# Altium PCB PCB_V2.1.PcbDoc
Units mil, origin at the board's own origin, x right, y up, seen from the top; angles counter-clockwise.
Board outline 2362.2 x 3149.61 mil, 2 copper layers (Top Layer, Bottom Layer); 72 components, 29 nets, 193 pads, 191 vias.
Unrouted connection lines stored in the file: 4.
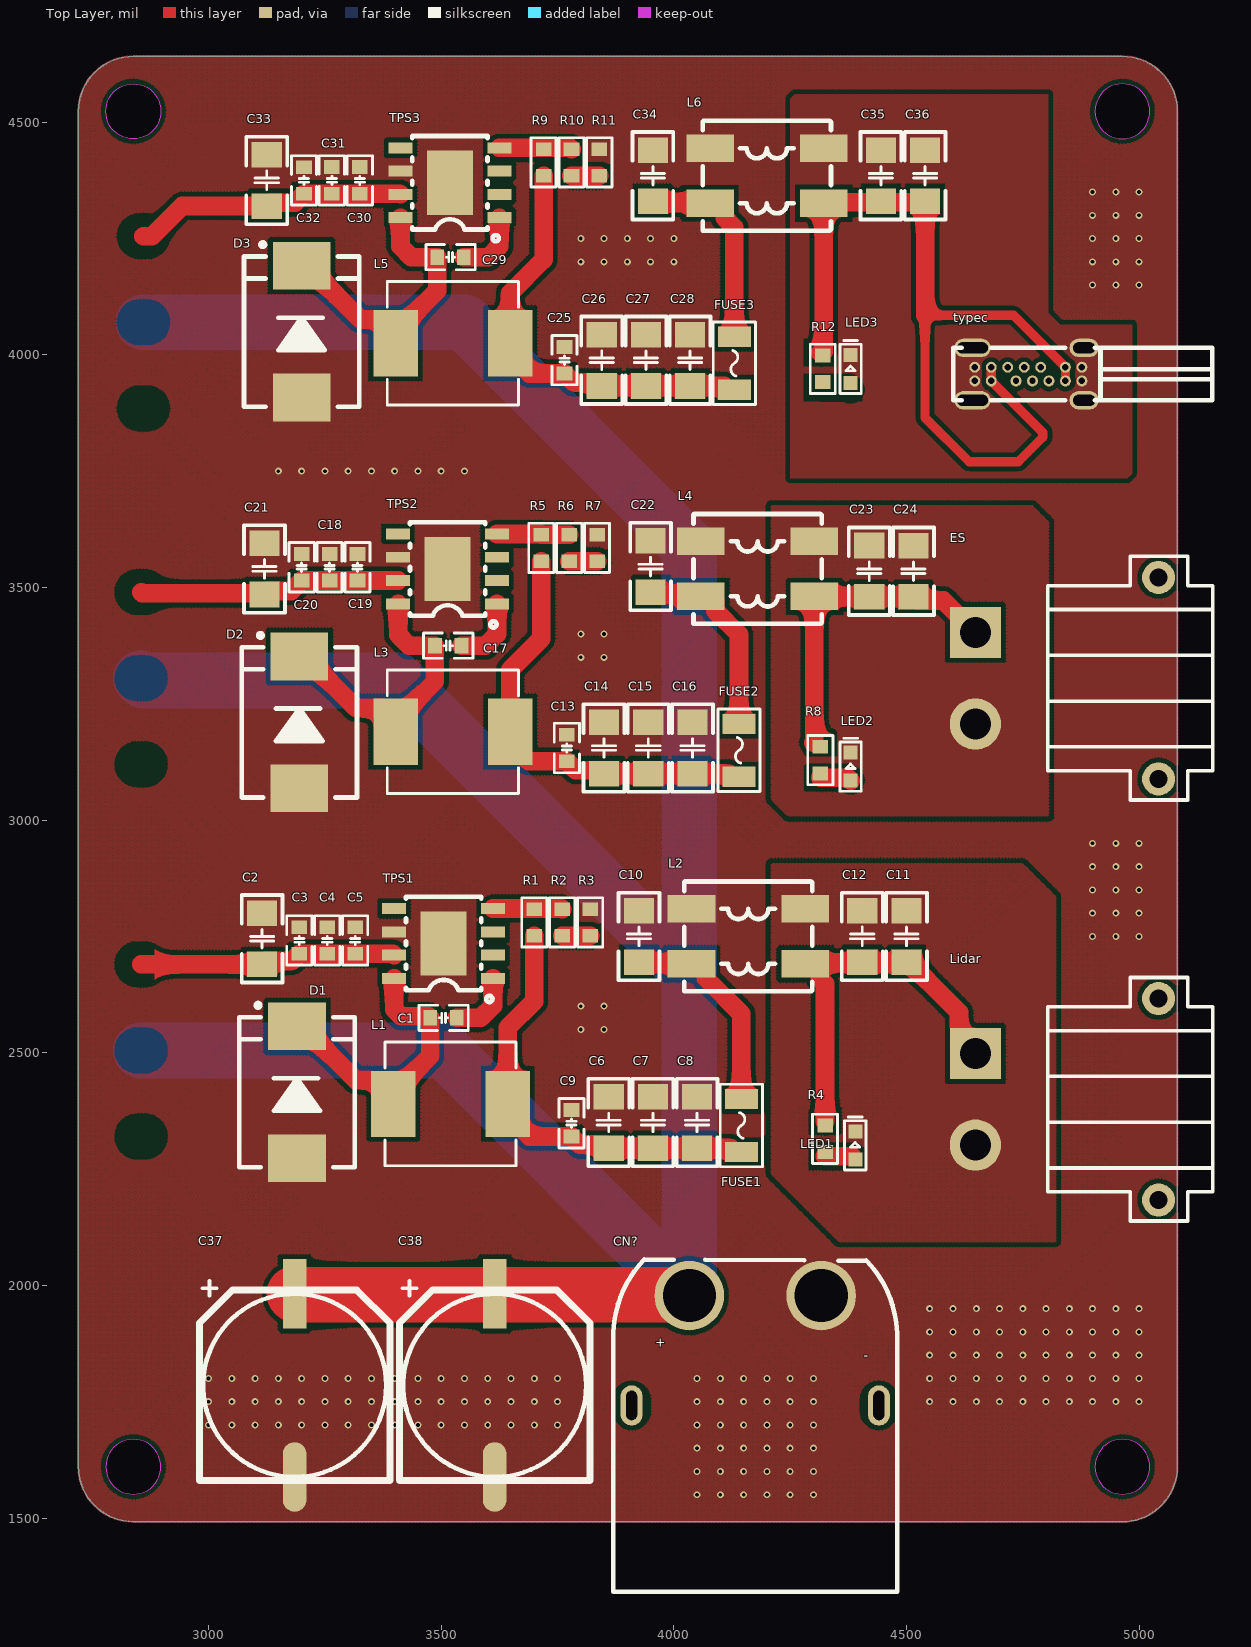
[diagram p0: Top Layer view]
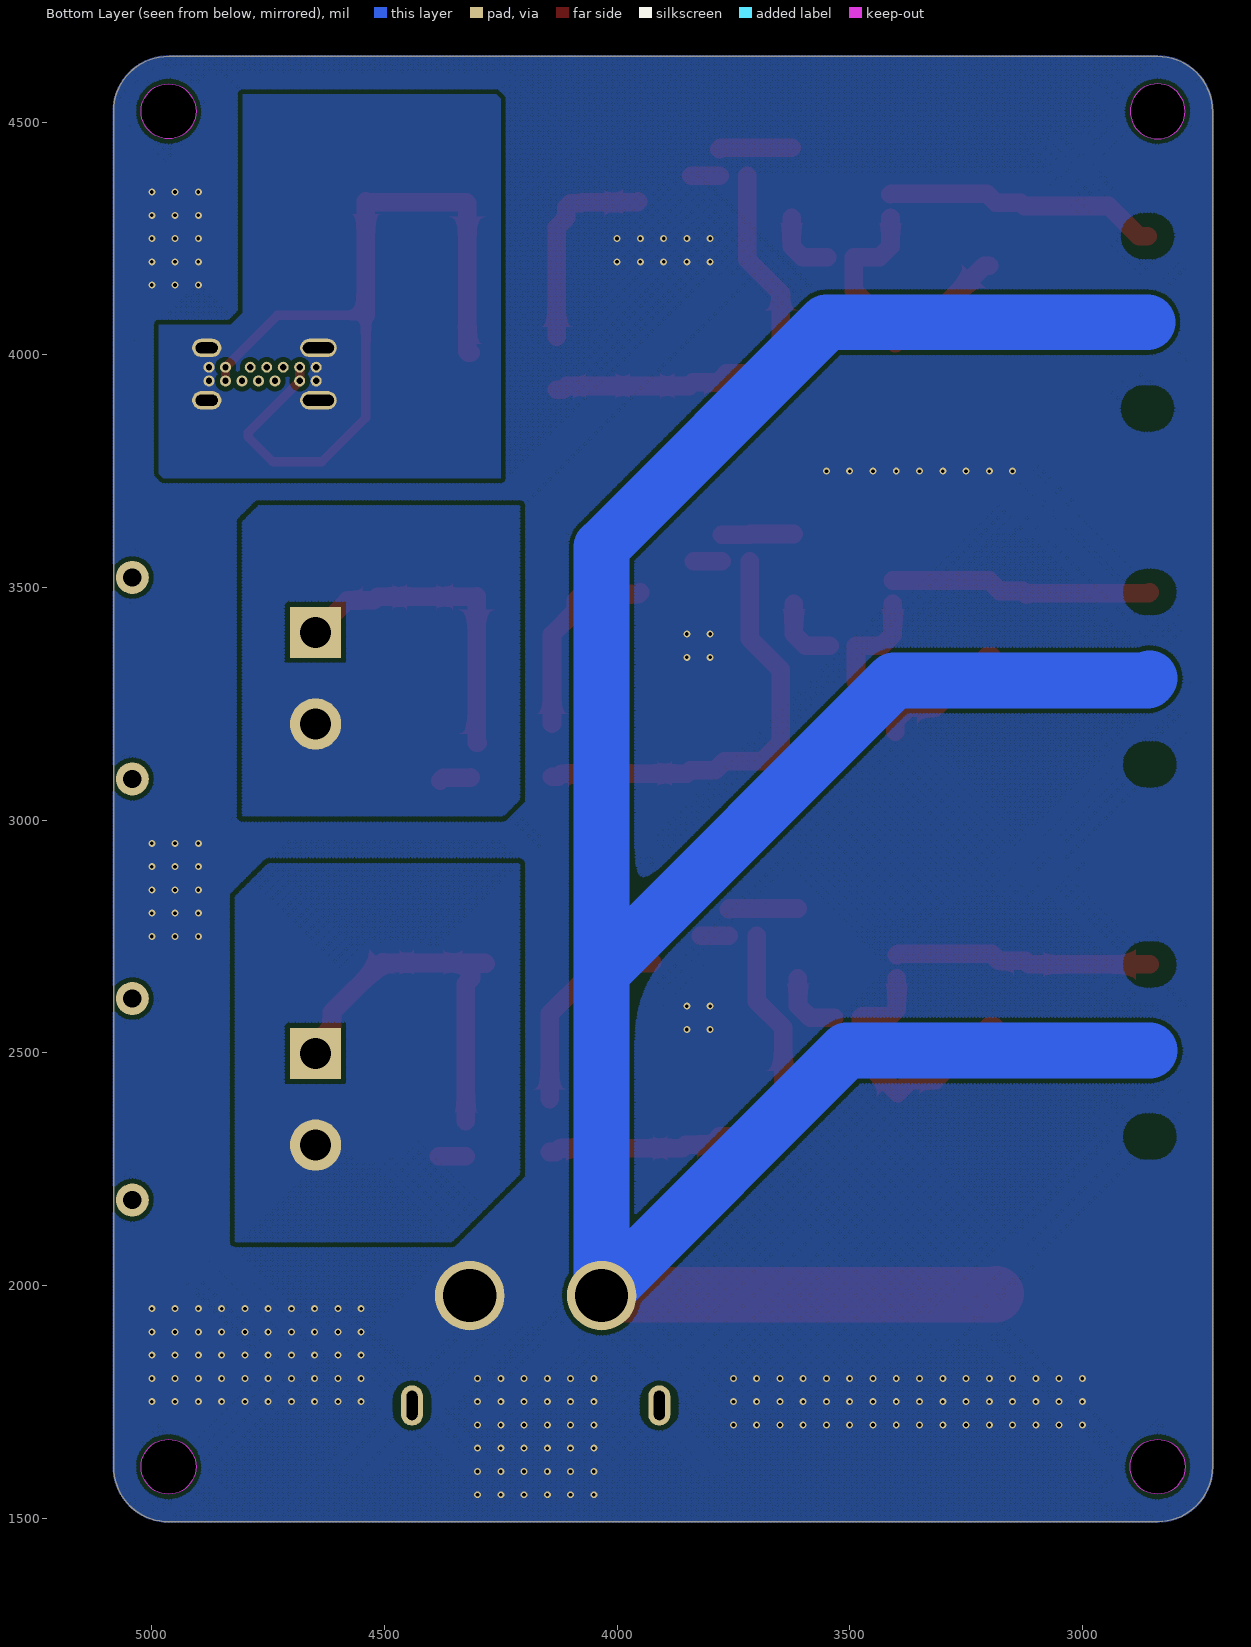
[diagram p1: Bottom Layer view, seen from below]

## Layer stack, top to bottom
Top Solder: solder mask 0.4, Solder Resist, Dk 3.5
Top Layer: signal copper 1.4
Dielectric 1: dielectric 12.6, FR-4, Dk 4.8
Bottom Layer: signal copper 1.4
Bottom Solder: solder mask 0.4, Solder Resist, Dk 3.5

## Board outline
2720.03,1610.15 ccw(c2838.14,1610.15) 2838.14,1492.04 4964.13,1492.04 ccw(c4964.13,1610.15) 5082.24,1610.15 5082.24,4523.54 ccw(c4964.13,4523.54) 4964.13,4641.65 2838.15,4641.65 ccw(c2838.14,4523.54) 2720.03,4523.54
cut-out: 4905.07,1610.15 ccw(c4964.13,1610.15) 4964.13,1551.09 ccw(c4964.13,1610.15) 5023.18,1610.15 ccw(c4964.13,1610.15) 4964.13,1669.2 ccw(c4964.13,1610.15)
cut-out: 2779.09,1610.15 ccw(c2838.14,1610.15) 2838.14,1551.09 ccw(c2838.14,1610.15) 2897.2,1610.15 ccw(c2838.14,1610.15) 2838.14,1669.2 ccw(c2838.14,1610.15)
cut-out: 4905.07,4523.54 ccw(c4964.13,4523.54) 4964.13,4464.48 ccw(c4964.13,4523.54) 5023.18,4523.54 ccw(c4964.13,4523.54) 4964.13,4582.59 ccw(c4964.13,4523.54)
cut-out: 2838.14,4464.48 cw(c2838.14,4523.54) 2779.09,4523.54 cw(c2838.14,4523.54) 2838.14,4582.59 cw(c2838.14,4523.54) 2897.2,4523.54 cw(c2838.14,4523.54)

## Design rules (kind name [scope] priority, off if disabled: settings)
Clearance [All] p1: gap=6 ignorepadtopadclearanceinfootprint=TRUE
PlaneConnect [All] p1: planeconnectstyle=Direct reliefexpansion=20 reliefentries=4 reliefconductorwidth=10 reliefairgap=10
PolygonConnect [All] p1: connectstyle=Direct reliefconductorwidth=10 reliefentries=4 polygonreliefangle="90 Angle" airgapwidth=10
RoutingVias [All] p1: holewidth=28 width=20 viastyle="Through Hole" minholewidth=5 minwidth=15 maxholewidth=100 maxwidth=100
SolderMaskExpansion [All] p1: expansion=4 istentingtop=FALSE
Width Width_1 [All] p1: maxlimit=120 minlimit=10 preferedwidth=40
Width [All] p2: maxlimit=10 minlimit=10 preferedwidth=10
29 further rules are at their usual default settings.

## Components (designator, comment, footprint, x,y, rotation, side; value= is the part's Value field where it differs from the comment)
C1 "10nF" C0603_L 3505,2575 r0 top
C2 "100uF" C1206_L 3115,2745 r270 top
C3 "4.7uF" C0603_L 3195,2741.46 r270 top
C4 "4.7uF" C0603_L 3255,2741.46 r270 top
C5 "0.01uF" C0603_L 3315,2741.46 r270 top
C6 "100uF" C1206_L 3860,2350 r90 top
C7 "100uF" C1206_L 3955,2350 r90 top
C8 "100uF" C1206_L 4050,2350 r90 top
C9 "0.01uF" C0603_L 3780,2348.54 r90 top
C10 "10uF/25V/1206" C1206_L 3925,2749.97 r270 top
C11 "22uF/25V/1206" C1206_L 4500,2749.97 r270 top
C12 "22uF/25V/1206" C1206_L 4405,2749.97 r270 top
C13 "0.01uF" C0603_L 3770,3155 r90 top
C14 "100uF" C1206_L 3850,3155 r90 top
C15 "100uF" C1206_L 3945,3155 r90 top
C16 "100uF" C1206_L 4040,3155 r90 top
C17 "10nF" C0603_L 3515,3375 r0 top
C18 "0.01uF" C0603_L 3260,3543.54 r270 top
C19 "4.7uF" C0603_L 3320,3543.54 r270 top
C20 "4.7uF" C0603_L 3200,3543.54 r270 top
C21 "100uF" C1206_L 3120,3540 r270 top
C22 "10uF/25V/1206" C1206_L 3950,3545 r270 top
C23 "22uF/25V/1206" C1206_L 4420,3535 r270 top
C24 "22uF/25V/1206" C1206_L 4515,3534.88 r270 top
C25 "0.01uF" C0603_L 3765,3988.54 r90 top
C26 "100uF" C1206_L 3845,3988.31 r90 top
C27 "100uF" C1206_L 3940,3988.31 r90 top
C28 "100uF" C1206_L 4035,3988.31 r90 top
C29 "10nF" C0603_L 3520,4210 r0 top
C30 "0.01uF" C0603_L 3325,4375 r270 top
C31 "4.7uF" C0603_L 3265,4375 r270 top
C32 "4.7uF" C0603_L 3205,4374.88 r270 top
C33 "100uF" C1206_L 3125,4374.88 r270 top
C34 "10uF/25V/1206" C1206_L 3955,4385 r270 top
C35 "22uF/25V/1206" C1206_L 4445,4385 r270 top
C36 "22uF/25V/1206" C1206_L 4540,4385 r270 top
C37 "470uF" "CS 10*8 - B" 3185,1785 r90 top
C38 "470uF" "CS 10*8 - V" 3615,1785 r90 top
CN? "XT60PW-M" XT60PW-M2 4175,1860 r90 top
D1 "B560C/700mv/5A" SMC 3190,2415 r270 top
D2 "B560C/700mv/5A" SMC 3195,3210 r270 top
D3 "B560C/700mv/5A" SMC 3200,4050 r270 top
ES "XT30-M" XT30PW-M 4845,3305 r270 top
FUSE1 "2A" F1206 4145,2343.58 r270 top
FUSE2 "2A" F1206 4140,3150 r270 top
FUSE3 "2A" F1206 4130,3981.89 r270 top
L1 "33uH" SMD_L7.0-W6.6 3520,2390 r0 top
L2 "ACM7060" L-SMD 4160,2750 r90 top
L3 "33uH" SMD_L7.0-W6.6 3525,3190 r0 top
L4 "ACM7060" L-SMD 4180,3540 r90 top
L5 "33uH" SMD_L7.0-W6.6 3525,4025 r0 top
L6 "ACM7060" L-SMD 4200,4385.02 r90 top
LED1 "绿色" LED0603_G 4390,2301 r90 top
LED2 "绿色" LED0603_G 4380,3115 r90 top
LED3 "绿色" LED0603_G 4380,3970 r90 top
Lidar "XT30-M" XT30PW-M 4845,2400 r270 top
R1 "10KΩ" R0603_L#1 3700,2780 r270 top
R2 "1.13KΩ" R0603_L#2 3760,2780 r270 top
R3 "0Ω" R0603_L#2 3820,2780 r90 top
R4 "10KΩ" R0603_L#2 4325,2315 r270 top
R5 "10KΩ" R0603_L#2 3715,3585 r270 top
R6 "1.13KΩ" R0603_L#2 3775,3585 r270 top
R7 "0Ω" R0603_L#2 3835,3585 r90 top
R8 "10KΩ" R0603_L#2 4315,3129 r270 top
R9 "10KΩ" R0603_L#2 3720,4413.54 r270 top
R10 "3.16KΩ" R0603_L#2 3780,4413.54 r270 top
R11 "0Ω" R0603_L#2 3840,4413.54 r90 top
R12 "10KΩ" R0603_L#2 4320,3970 r270 top
TPS1 "TPS5430DDAR" ESOP-8_L4.9-W3.9-P1.27-LS6.0-TL-EP 3505,2735 r180 top
TPS2 "TPS5430DDAR" ESOP-8_L4.9-W3.9-P1.27-LS6.0-TL-EP 3513.7,3540 r180 top
TPS3 "TPS5430DDAR" ESOP-8_L4.9-W3.9-P1.27-LS6.0-TL-EP 3518.7,4370 r180 top
typec "U264-141N-4BAC10" USB-C-Type-侧插 4761.93,3958.71 r270 top

## Footprints (in the part's own frame and the unit in brackets; to place one, negate y for a bottom-side part, rotate by r counter-clockwise, add the part's x,y. Pads: shape width x height; smd on the part's side, far side on the other; paste and mask are expansions set on the pad)
C0603_L [mm] "贴片MLCC电容"
  rect 0.75x0.85 smd: 1(-0.725,0) 2(0.725,0)
  silkscreen extent -1.35,-0.69 1.35,0.69, body extent -0.8,-0.4 0.8,0.4, height 0.8
C1206_L [mm] "贴片MLCC电容"
  rect 1.4x1.65 smd: 1(-1.4,0) 2(1.4,0)
  silkscreen extent -2.39,-1.12 2.39,1.12, body extent -1.6,-0.8 1.6,0.8, height 1.1
"CS 10*8 - B" [mm] "直径10mm，高8mm"
  rect 3.8x1.3 smd: 1(5,0)
  oval 3.8x1.3 smd: 2(-5,0)
  silkscreen extent -5.2,-5.2 5.7,5.2, body extent -5.8,-5.15 5.8,5.15, height 8.05
"CS 10*8 - V" [mm] "直径10mm，高8mm"
  rect 3.8x1.3 smd: 1(5,0)
  oval 3.8x1.3 smd: 2(-5,0)
  silkscreen extent -5.2,-5.2 5.7,5.2, body extent -5.8,-5.15 5.8,5.15, height 8.05
ESOP-8_L4.9-W3.9-P1.27-LS6.0-TL-EP [mm]
  rect 1.3x0.6 smd: 1(-2.7,1.905) 2(-2.7,0.635) 3(-2.7,-0.635) 4(-2.7,-1.905) 5(2.7,-1.905) 6(2.7,-0.635) 7(2.7,0.635) 8(2.7,1.905)
  rect 2.5x3.5 smd: 9(0,0)
  silkscreen extent -2.67,-2.55 2.05,3.2
F1206 [mm] "1206贴片自恢复保险丝(PPTC)   联系卖家 免费查找封装"
  rect 1.1x1.8 smd: 1(-1.445,0) 2(1.445,0)
  silkscreen extent -2.25,-1.15 2.25,1.15, body extent -1.6,-0.85 1.6,0.85, height 0.61
L-SMD [mm]
  rect 1.501x2.6 smd: 1(-1.5,-3.1) 2(1.5,-3.1) 3(1.5,3.1) 4(-1.5,3.1)
  silkscreen extent -3,-3.5 3,3.5
LED0603_G [mil] "绿色LED"
  rect 30x30 smd: 1(-30,0) 2(30,0)
  silkscreen extent -53,-23 61,23, body extent -31,-16 31,16, height 24
R0603_L#1 [mm] "1/10W贴片电阻"
  rect 0.75x0.85 smd: 2(0.725,0) ""(-0.725,0)
  silkscreen extent -1.35,-0.69 1.35,0.69, body extent -0.8,-0.4 0.8,0.4, height 0.4
R0603_L#2 [mm] "1/10W贴片电阻"
  rect 0.75x0.85 smd: 1(-0.725,0) 2(0.725,0)
  silkscreen extent -1.35,-0.69 1.35,0.69, body extent -0.8,-0.4 0.8,0.4, height 0.4
SMC [mm] "7.1x5.9*2.3mm（长宽高，不包括引脚）"
  rect 2.6x3.15 smd: 1(3.6,0) 2(-3.6,0)
  silkscreen extent -4.87,-3.15 4.1,3.15, body extent -3.95,-2.9 3.95,2.9, height 2.4
SMD_L7.0-W6.6 [mm]
  rect 2.424x3.62 smd: 1(3.128,0) 2(-3.128,0)
  silkscreen extent -3.58,-3.38 3.58,3.38
USB-C-Type-侧插 [mm] "侧插typec"
  round 0.6 hole 0.35: 1(0.375,2.925) 2(0.375,2.025) 3(0.375,1.125) 4(0.375,0.225) 5(0.375,-0.675) 6(0.375,-2.025) 7(0.375,-2.925) 8(-0.375,-2.925) 9(-0.375,-2.025) 10(-0.375,-1.125) 11(-0.375,-0.225) 12(-0.375,0.675) 13(-0.375,2.025) 14(-0.375,2.925)
  oval 1x1.6 hole 0.6 slot 1.2 at 90 deg: 15(-1.43,3.05) 16(1.43,3.05)
  oval 1x2 hole 0.6 slot 1.7 at 90 deg: 17(-1.43,-3.05) 18(1.43,-3.05)
  silkscreen extent -1.43,-4.1 1.43,10.03
XT30PW-M [mm] "TH, 4-Leads, Body 13.95x13.3mm"
  rect 2.8x2.8 hole 1.7: 1(-2.5,-5)
  round 2.8 hole 1.7: 2(2.5,-5)
  round 1.8 hole 1: MP1(-5.5,5) MP2(5.5,5)
  silkscreen extent -6.65,-1.05 6.65,7.95, body extent -6.65,-6 6.65,7.95, height 5.05
XT60PW-M2 [mm]
  round 3.8 hole 2.9 paste+0 mask+0.05: 1(3,-3.6) 2(3,3.6)
  oval 2.2x1.2 hole 0.6 slot 1.6 at 0 deg paste+0 mask+0.05: 3(-3,6.75) 4(-3,-6.75)
  silkscreen extent -13.17,-7.75 4.96,7.75

## Part data
C1 C2 C3 C4 C5 C6 C7 C8 C9 C10 C11 C12 C13 C14 C15 C16 C17 C18 C19 C20 C21 C22 C23 C24 C25 C26 C27 C28 C29 C30 C31 C32 C33 C34 C35 C36: library part C, "贴片电容/MLCC电容", BOM名称=无极性贴片电容, 联系下单店铺卖家 免费帮你查找封装="联系下单店铺卖家 免费技术指导"
C37 C38: library part cap_polarity, "Electrolytic Capacitor"
CN?: Colour=黄色, contact resistance=-, JLCPCB Part Class="Extended Part", LCSC Part Name="AMASS(艾迈斯)航模插头xt60连接器150公母对接pw锂电池公头 板插卧式XT60PW-M", Manufacturer=AMASS(艾迈斯), Add into BOM=yes, Belt length=-, Brand=艾迈斯, Convert to PCB=yes, Datasheet=https://atta.szlcsc.com/upload/public/pdf/source/20240118/44A3DCFF53BE25DC65378AFFB21277A4.pdf, Device=XT60PW-M, FlameRetardantGrade=-, Input=-, InsulationMaterial=-, Interface=-, InterfaceType=公头, Manufacturer Part=XT60PW-M, MaximumCurrent=-, MetalMaterial=-, Model=XT60PW-M, NumberOfUSBHoles=-, Output=-, Power=-, RatedCurrent=-, RatedVoltage=-, RecommendedWireGauge=-, Size=-, specifications=-, Supplier=LCSC, Supplier Footprint=-, Supplier Part=C98732, Symbol=XT60PW-M, Type=卧式插头, Type1=-
D1 D2 D3: library part 稳压二极管, "Zener Diode", 当前库版本V2024.8.30，下一版本发布时间2024年10月份 @淘宝卖家:黄晶宝石=最新版本发布网址https://item.taobao.com/item.htm?id=566775463719
ES Lidar: "XT30公头", 当前库版本V2024.5.31，下一版本发布时间2024年8月份 @淘宝卖家:黄晶宝石=最新版本发布网址https://item.taobao.com/item.htm?id=566775463719
FUSE1 FUSE2 FUSE3: library part "FUSE 1808", "1808保险座", BOM名称=1808保险座, 当前库版本V2024.8.30，下一版本发布时间2024年10月份 @淘宝卖家:黄晶宝石=最新版本发布网址https://item.taobao.com/item.htm?id=566775463719
L1 L3 L5: library part L, "贴片小功率电感", BOM名称=小功率贴片电感, 联系下单店铺卖家 免费帮你查找封装="联系下单店铺卖家 免费技术指导"
L2 L4 L6: "共模电感"
LED1 LED2 LED3: library part LED, "贴片LED", BOM名称=贴片LED, 封装库来自淘宝卖家：黄晶宝石=其他店铺购入均为盗版封装库，无更新权益，请立即申请退款，本店现金奖励200~1000元
R1 R2 R3 R4 R5 R6 R7 R8 R9 R10 R11 R12: library part R, "贴片电阻", BOM名称=贴片电阻, 联系下单店铺卖家 免费帮你查找封装="联系下单店铺卖家 免费技术指导"
TPS1 TPS2 TPS3: Input Voltage=5.5V~36V, JLCPCB Part Class="Basic Part", LCSC Part Name="降压 3A 36V", Manufacturer=TI(德州仪器), Operating Temperature=-40℃~+125℃@(TJ), Output Current (Max)=3A, Output Voltage=1.221V~32.04V, Switching Frequency=500kHz, Add into BOM=yes, Convert to PCB=yes, Datasheet=https://www.ti.com/cn/lit/gpn/tps5430, Device=TPS5430DDAR, Function=降压型, Manufacturer Part=TPS5430DDAR, Number of Outputs=1, Output Type=可调, Supplier=LCSC, Supplier Footprint=SOIC-8-EP, Supplier Part=C9864, Switch tube (built-in/external)=内置, Symbol=TPS5430DDAR, Synchronous Rectification=否, Topology=降压式
typec: library part USB3.0-type-c-侧插, Current Rating - Power (Max)=3A, JLCPCB Part Class="Extended Part", LCSC Part Name="Type-C 母 侧插", Manufacturer="XKB Connectivity(中国星坤)", Operating Temperature Range=-40℃~+85℃, Soldering Temperature(Max)=235℃, Add into BOM=yes, Connector Type=Type-C, Contact Material=铜合金, Contact Plating=金, Convert to PCB=yes, Datasheet=https://atta.szlcsc.com/upload/public/pdf/source/20211011/3C526B1D157DB714A375BD92771BEA39.pdf, Device=U264-141N-4BAC10, Gender=母, Manufacturer Part=U264-141N-4BAC10, Mounting Style=侧插, Number of Contacts=14P, Number of Ports=1, Standard="USB 3.1", Supplier=LCSC, Supplier Footprint=插件, Supplier Part=C692526, Symbol=U264-141N-4BAC10

## Via types
v1: diameter 15, hole 8, Top Layer to Bottom Layer, 191 vias

## Nets (pads, with @x,y where several pads share a name; then routed paths per layer and width w, separated by ;. In a path a pad name is that pad's centre, name@x,y a point inside that pad or via, vN(x,y) a via of type N, cw(c..) or ccw(c..) an arc to the next point about the centre after c; other vN are vias at no path point)
EGND: C23.1 C24.1 ES.2 L4.2 LED2.2
LGND: C11.1 C12.1 L2.2 LED1.2 Lidar.2
MGND: C2.1 C3.1 C4.1 C5.1 C6.2 C7.2 C8.2 C9.2 C10.1 C13.2 C14.2 C15.2 C16.2 C18.1 C19.1 C20.1 C21.1 C22.1 C25.2 C26.2 C27.2 C28.2 C30.1 C31.1 C32.1 C33.1 C34.1 C37.2 C38.2 CN?.1 D1.1 D2.1 D3.1 L2.3 L4.3 L6.3 R3.2 R7.2 R11.2 TPS1.6 TPS1.9 TPS2.6 TPS2.9 TPS3.6 TPS3.9
  other v1: 4050,1550 4100,1550 4150,1550 4200,1550 4250,1550 4300,1550 4050,1600 4100,1600 4150,1600 4200,1600 4250,1600 4300,1600 4050,1650 4100,1650 4150,1650 4200,1650 4250,1650 4300,1650 3000,1700 3050,1700 3100,1700 3150,1700 3200,1700 3250,1700 3300,1700 3350,1700 3400,1700 3450,1700 3500,1700 3550,1700 3600,1700 3650,1700 3700,1700 3750,1700 4050,1700 4100,1700 4150,1700 4200,1700 4250,1700 4300,1700 3000,1750 3050,1750 3100,1750 3150,1750 3200,1750 3250,1750 3300,1750 3350,1750 3400,1750 3450,1750 3500,1750 3550,1750 3600,1750 3650,1750 3700,1750 3750,1750 4050,1750 4100,1750 4150,1750 4200,1750 4250,1750 4300,1750 4550,1750 4600,1750 4650,1750 4700,1750 4750,1750 4800,1750 4850,1750 4900,1750 4950,1750 5000,1750 3000,1800 3050,1800 3100,1800 3150,1800 3200,1800 3250,1800 3300,1800 3350,1800 3400,1800 3450,1800 3500,1800 3550,1800 3600,1800 3650,1800 3700,1800 3750,1800 4050,1800 4100,1800 4150,1800 4200,1800 4250,1800 4300,1800 4550,1800 4600,1800 4650,1800 4700,1800 4750,1800 4800,1800 4850,1800 4900,1800 4950,1800 5000,1800 4550,1850 4600,1850 4650,1850 4700,1850 4750,1850 4800,1850 4850,1850 4900,1850 4950,1850 5000,1850 4550,1900 4600,1900 4650,1900 4700,1900 4750,1900 4800,1900 4850,1900 4900,1900 4950,1900 5000,1900 4550,1950 4600,1950 4650,1950 4700,1950 4750,1950 4800,1950 4850,1950 4900,1950 4950,1950 5000,1950 3800,2550 3850,2550 3800,2600 3850,2600 4900,2750 4950,2750 5000,2750 4900,2800 4950,2800 5000,2800 4900,2850 4950,2850 5000,2850 4900,2900 4950,2900 5000,2900 4900,2950 4950,2950 5000,2950 3800,3350 3850,3350 3800,3400 3850,3400 3150,3750 3200,3750 3250,3750 3300,3750 3350,3750 3400,3750 3450,3750 3500,3750 3550,3750 4900,4150 4950,4150 5000,4150 3800,4200 3850,4200 3900,4200 3950,4200 4000,4200 4900,4200 4950,4200 5000,4200 3800,4250 3850,4250 3900,4250 3950,4250 4000,4250 4900,4250 4950,4250 5000,4250 4900,4300 4950,4300 5000,4300 4900,4350 4950,4350 5000,4350
NetC1_1: C1.1 D1.2 L1.2 TPS1.8 | length 612.5
  Top Layer w40: D1.2 3200.83,2556.73 3316.3,2441.26 3369.13,2441.26 3396.85,2413.54 3476.46,2493.15 C1.1 3472.89,2578.57 3413.57,2578.57 3398.7,2593.43 TPS1.8
NetC1_2: C1.2 TPS1.1 | length 147.3
  Top Layer w40: C1.2 3585,2575 3611.3,2601.3 TPS1.1
NetC6_1: C6.1 C7.1 C8.1 C9.1 FUSE1.2 L1.1 R1.2 | length 943.4
  Top Layer w40: R1.2 3700,2610.93 3643.15,2554.07 L1.1 3643.15,2366.46 3689.61,2320 C9.1 3797.56,2302.44 3852.44,2302.44 C6.1 C7.1 C8.1 4123.03,2294.88 4131.22,2286.69 FUSE1.2
NetC10_2: C10.2 FUSE1.1 L2.4 | length 462.1
  Top Layer w40: C10.2 3926.96,2692.9 4035.99,2692.9 L2.4 4059.58,2690.95 4069.13,2681.39 4069.13,2659.76 4145,2583.89 FUSE1.1
NetC13_1: C13.1 C14.1 C15.1 C16.1 FUSE2.2 L3.1 R5.2 | length 939.9
  Top Layer w40: R5.2 3715,3390 3648.15,3323.15 3648.15,3166.46 3688.15,3126.46 C13.1 3789.02,3107.44 3842.44,3107.44 C14.1 C15.1 C16.1 4119.45,3099.88 4126.22,3093.11 FUSE2.2
NetC17_1: C17.1 D2.2 L3.2 TPS2.8 | length 639.5
  Top Layer w40: D2.2 3205.83,3351.73 3316.3,3241.26 3374.13,3241.26 L3.2@3401.85,3213.54 ; L3.2 L3.2@3401.85,3213.54 ; TPS2.8 3407.41,3398.43 3430.84,3375 C17.1 3486.46,3298.15 L3.2@3401.85,3213.54
NetC17_2: C17.2 TPS2.1 | length 151.8
  Top Layer w40: C17.2 3595,3375 3620,3400 TPS2.1
NetC22_2: C22.2 FUSE2.1 L4.4 | length 432.4
  Top Layer w40: C22.2 3954.47,3485.41 4053.48,3485.41 L4.4 4079.58,3480.95 4089.13,3471.39 4089.13,3449.76 4140,3398.89 FUSE2.1
NetC25_1: C25.1 C26.1 C27.1 C28.1 FUSE3.2 L5.1 R9.2 | length 926.8
  Top Layer w40: R9.2 3720,4205 3648.15,4133.15 3648.15,4001.46 3689.61,3960 C25.1 3784.25,3940.75 3837.44,3940.75 C26.1 C27.1 C28.1 4108.03,3933.19 4116.22,3925 FUSE3.2
NetC29_1: C29.1 D3.2 L5.2 TPS3.8 | length 633.6
  Top Layer w40: D3.2 3210.83,4191.73 3326.3,4076.26 3374.13,4076.26 L5.2@3401.85,4048.54 ; L5.2 L5.2@3401.85,4048.54 ; TPS3.8 3412.41,4233.43 3435.84,4210 C29.1 3491.46,4138.15 L5.2@3401.85,4048.54
NetC29_2: C29.2 TPS3.1 | length 147.7
  Top Layer w40: C29.2 3601.57,4210 3625,4233.43 TPS3.1
NetC34_2: C34.2 FUSE3.1 L6.4 | length 446
  Top Layer w40: C34.2 3956.96,4327.93 4075.99,4327.93 L6.4 4099.58,4325.97 4109.13,4316.42 4109.13,4294.79 4130,4273.92 FUSE3.1
NetLED1_1: LED1.1 R4.2 | length 58.8
  Top Layer w40: R4.2@4325,2277.6 4325.31,2277.28 LED1.1@4383.71,2277.28
NetLED2_1: LED2.1 R8.2 | length 67.7
  Top Layer w40: R8.2@4315,3091.6 4315.31,3091.28 4373.71,3091.28 LED2.1
NetLED3_1: LED3.1 R12.2
NetR1_1: R2.1 TPS1.4 | length 149.3
  Top Layer w40: TPS1.4 3758.54,2810 R2.1
NetR2_2: R2.2 R3.1 | length 60
  Top Layer w40: R2.2 R3.1
NetR5_1: R5.1 R6.1 TPS2.4 | length 155.6
  Top Layer w40: TPS2.4 3713.54,3615 R5.1 R6.1
NetR6_2: R6.2 R7.1 | length 60
  Top Layer w40: R6.2 R7.1
NetR9_1: R9.1 R10.1 TPS3.4 | length 156.2
  Top Layer w40: TPS3.4 3777.09,4445 R10.1
NetR10_2: R10.2 R11.1 | length 60
  Top Layer w40: R10.2 R11.1
OGND: C35.1 C36.1 L6.2 LED3.2 typec.1 typec.7 typec.8 typec.14 typec.15 typec.16 typec.17 typec.18
VCC_5V_OP: C35.2 C36.2 L6.1 R12.1 typec.2 typec.6 typec.9 typec.13 | length 1900.7
  Top Layer w20: typec.9@4682.9,3974.17 typec.9 typec.6 4793.02,3833.13 4793.02,3823.02 4740,3770 4635,3770 4540,3865 4540,4085 4730.13,4085 typec.13 typec.2
  Top Layer w40: R12.1@4315,4004.8 4320.28,4004.8 4322.05,4006.58 L6.1 4324.01,4327.93 4445,4327.93 4538.04,4327.93 C36.2 4540,4085
VCC_12V_ES: C23.2 C24.2 ES.1 L4.1 R8.1 | length 694.6
  Top Layer w40: R8.1@4300,3166.4 4301.74,3166.4 4302.05,3166.72 L4.1 4302.64,3480.35 4514.41,3480.35 C24.2 4522.56,3472.2 4579.37,3472.2 ES.1
VCC_12V_LD: C11.2 C12.2 L2.1 Lidar.1 R4.1 | length 849.3
  Top Layer w40: R4.1@4325,2352.4 4325,2647.99 4313.23,2659.76 4313.23,2681.39 4303.68,2690.95 L2.1 4284.01,2692.9 4498.04,2692.9 C11.2 4504.92,2694.86 4613.03,2586.75 4613.03,2533.54 Lidar.1
VCC_24V_IN: C2.2 C3.2 C4.2 C5.2 C18.2 C19.2 C20.2 C21.2 C30.2 C31.2 C32.2 C33.2 C37.1 C38.1 CN?.2 TPS1.7 TPS2.7 TPS3.7 | length 8381.5
  Top Layer w40: 2855,2690.04 2855.08,2689.96 C2.2@3114.92,2689.96 ; 2855,3490.08 2857.6,3487.48 3117.4,3487.48 C21.2 3127.56,3492.44 3177.44,3492.44 C20.2 C18.2 C19.2 TPS2.7 ; 2860,4255.08 2878.36,4255.08 2943.28,4320 3124.76,4320 C33.2 3132.56,4327.32 3185.98,4327.32 C32.2 3411.07,4346.34 TPS3.7 ; C2.2 3114.94,2689.94 3122.44,2697.44 3179.53,2697.44 C3.2 C4.2 C5.2 3395.79,2712.91 TPS1.7
  Top Layer w120: C37.1 3186.87,1979.99 4031.39,1979.99 CN?.2
  Bottom Layer w120: 2855,2505 3506.38,2505 CN?.2 4033.26,2671.74 ; 2855,3305.04 2860.04,3300 3405,3300 4033.26,2671.74 ; 2860,4070.04 3549.96,4070.04 4033.26,3586.74 4033.26,2671.74
pads on no net: CN?.3 CN?.4 ES.MP1 ES.MP2 Lidar.MP1 Lidar.MP2 R1. TPS1.2 TPS1.3 TPS1.5 TPS2.2 TPS2.3 TPS2.5 TPS3.2 TPS3.3 TPS3.5 typec.3 typec.4 typec.5 typec.10 typec.11 typec.12

## Polygon pours and split planes (outlines as drawn)
MGND on Top Layer "MGND_L01_P006" (hatched 45Degree grid 5 track 5, remove dead copper, pour order 6): 2720.03,1610.15 ccw(c2838.14,1610.15) 2838.14,1492.04 4964.13,1492.04 ccw(c4964.13,1610.15) 5082.24,1610.15 5082.24,4523.54 ccw(c4964.13,4523.54) 4964.13,4641.65 2838.15,4641.65 ccw(c2838.14,4523.54) 2720.03,4523.54
OGND on Top Layer "OGND_L01_P000" (solid, remove dead copper, pour order 0): 4250,4550 4260,4560 4805,4560 4805,4090 4830,4065 4985,4065 4985,3745 4975,3735 4250,3735
LGND on Top Layer "LGND_L01_P004" (hatched 45Degree grid 5 track 5, remove dead copper, pour order 4): 4210,2905 4750,2905 4820,2835 4820,2095 4355,2095 4210,2240 4210,2665
EGND on Top Layer "EGND_L01_P002" (hatched 45Degree grid 5 track 5, remove dead copper, pour order 2): 4210,3675 4770,3675 4805,3640 4805,3010 4245,3010 4210,3045
MGND on Bottom Layer "MGND_L02_P007" (hatched 45Degree grid 5 track 5, remove dead copper, pour order 7): 2720.03,1610.15 ccw(c2838.14,1610.15) 2838.14,1492.04 4964.13,1492.04 ccw(c4964.13,1610.15) 5082.24,1610.15 5082.24,4523.54 ccw(c4964.13,4523.54) 4964.13,4641.65 2838.15,4641.65 ccw(c2838.14,4523.54) 2720.03,4523.54
LGND on Bottom Layer "LGND_L02_P005" (hatched 45Degree grid 5 track 5, remove dead copper, pour order 5): 4210,2905 4750,2905 4820,2835 4820,2095 4355,2095 4210,2240 4210,2665
EGND on Bottom Layer "EGND_L02_P003" (hatched 45Degree grid 5 track 5, remove dead copper, pour order 3): 4210,3675 4770,3675 4805,3640 4805,3010 4245,3010 4210,3045
OGND on Bottom Layer "OGND_L02_P001" (solid, remove dead copper, pour order 1): 4250,4550 4260,4560 4805,4560 4805,4090 4830,4065 4985,4065 4985,3745 4975,3735 4250,3735

## Silkscreen, mask and mechanical layers (free items; w line width, h text height)
Mechanical 1:
  circle w0.5: c4964.13,1610.15 r59.06
  circle w0.5: c2838.14,1610.15 r59.06
  circle w0.5: c2838.14,4523.54 r59.06
  circle w0.5: c4964.13,4523.54 r59.06
  lines w0.5: 2720.03,1610.15 ccw(c2838.14,1610.15) 2838.14,1492.04 4964.13,1492.04 ccw(c4964.13,1610.15) 5082.24,1610.15 5082.24,4523.54 ccw(c4964.13,4523.54) 4964.13,4641.65 2838.14,4641.65 ccw(c2838.14,4523.54) 2720.03,4523.54 2720.03,1610.15

## Text inside footprints (layer, text, board x,y; h text height)
CN?: Top Overlay "+" at 3983,1884.89 h20 r180; Top Overlay "-" at 4418,1854.9 h20 r180